# Altium PCB Printing2.PcbDoc (part 2 of 5)
Units mil, origin at the board's own origin, x right, y up, seen from the top; angles counter-clockwise.
Board outline 7550 x 7770 mil, 4 copper layers (Top Layer, 5v/3.3V, 24V, Bottom Layer), stack 23.756 mil thick; 443 components, 337 nets, 1388 pads, 513 vias.
Unrouted connection lines stored in the file: 148.
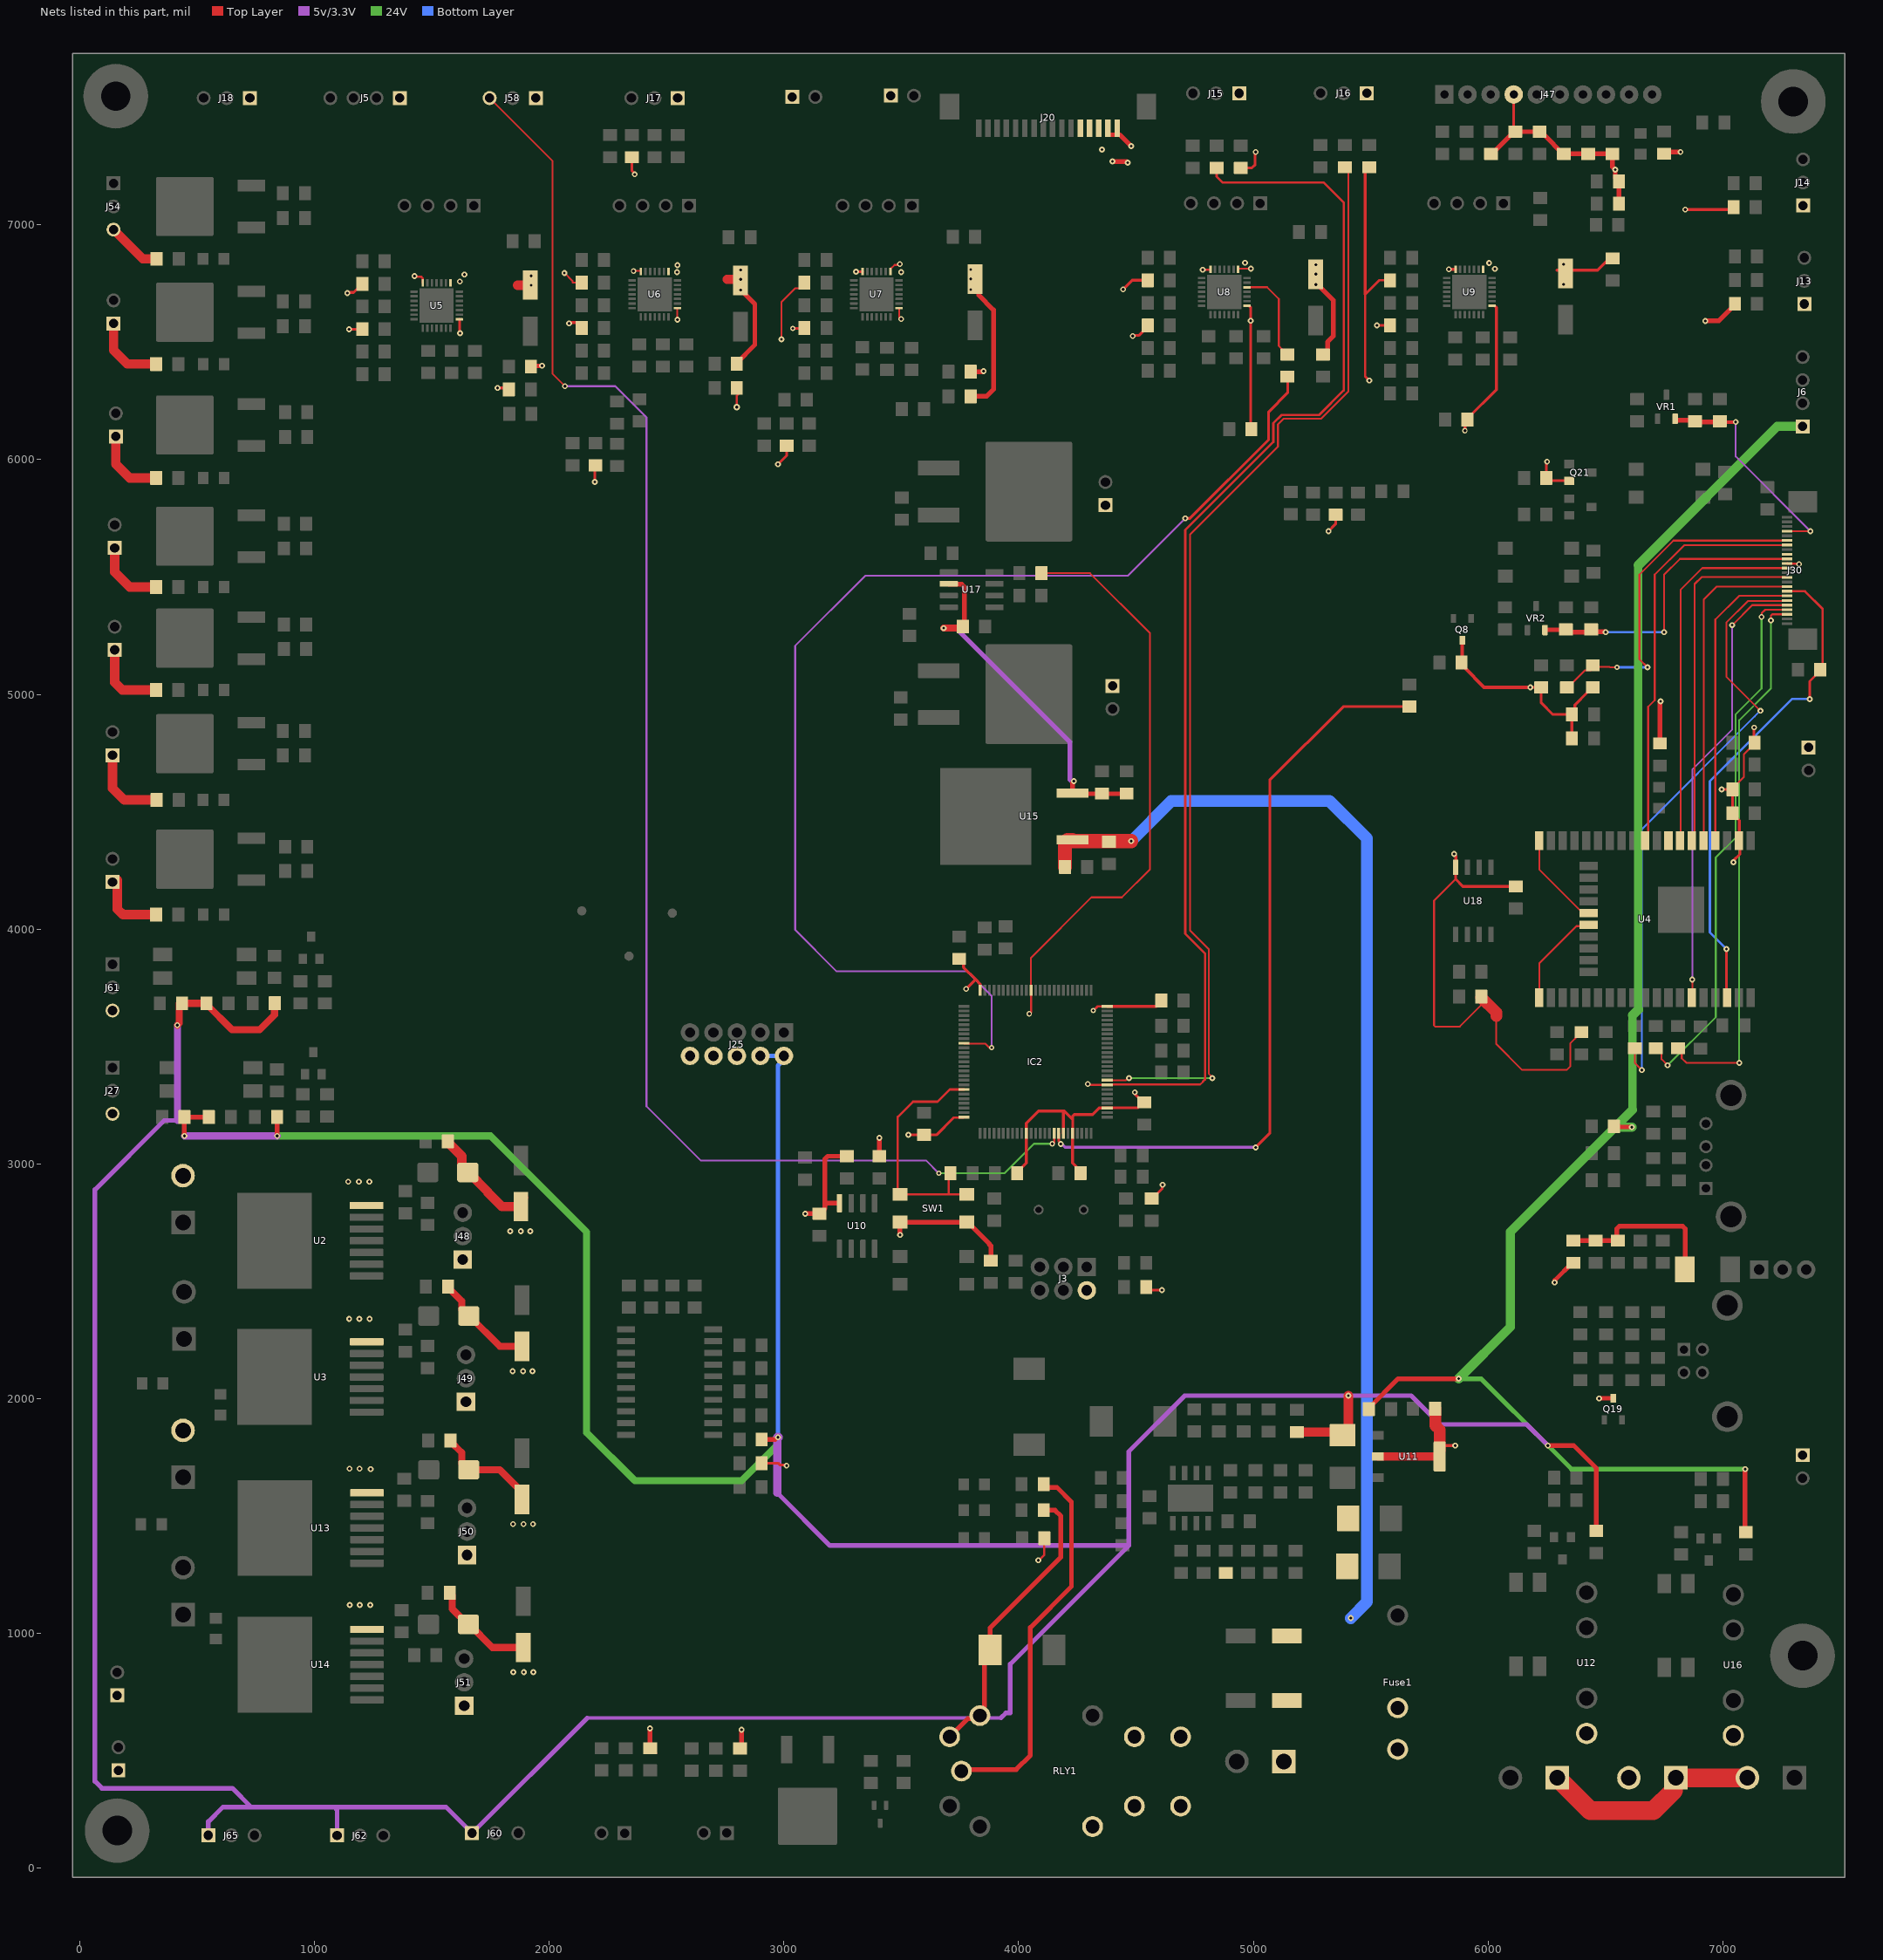
[diagram p4: the nets of this part, all layers, seen from the top]

## Part data
C1 C2 C3 C4 C5 C6 C7 C10 C11 C12 C13 C16 C17 C35 C38 C70 C78 C83 C85 C93: library part CER_100nF_#4, "CAP_CER_100nF_100V_X7R_10%_0805", Current=N/A, Manufacturer#1=Kemet, Manufacturer#1 PN=C0805C104K1RECAUTO, Manufacturer#2=AVX, Manufacturer#2 PN=ESD51C104K4T2A-24, Max Reflow Temp=260, Package=0805, Power Rating=X, Temp# Operating=-55°C/+125°C, Tolerance=10%, Voltage=100V, Added by=İlhanT, Checked by=İlkerU, ComponentLink1Description="Resource Folder", ComponentLink1URL=C:\FireANTs_Repo\HW_Lib\trunk\ComponentLibrary\Resources\Capacitors\C00062, Cost=0.27, Failure in Time=N/A, Features="AEC-Q200; ESD withstanding", FireANTs Code=C00062, Grade Level=Automotive, Height=1.40, Identifier=CER_100nF_#4, Lead Status=Pb-Free, Location=3B16, Max Reflow Duration=30, Mounting Type=SMD, MSL=1, Part Status=Active, Placement Area=10.45, Similar Part="C0805C104J1RECAUTO7210; C0805X104J1RECAUTO", Temp# Storage=N/A, Weight=19mg
C8 C9: library part CER_22pF_#2, "CAP_CER_22pF_50V_X5R_5%_0805", Current=N/A, Manufacturer#1=Kemet, Manufacturer#1 PN=C0805C220J5GAC7800, Max Reflow Temp=260, Package=0805, Power Rating=X, Temp# Operating=-55°C/+125°C, Tolerance=5%, Voltage=50V, Added by=HicabiB, Checked by=???, ComponentLink1Description="Resource Folder", ComponentLink1URL=C:\FireANTs_Repo\HW_Lib\trunk\ComponentLibrary\Resources\Capacitors\C00169, Cost=0.10, Failure in Time=N/A, Features=N/A, FireANTs Code=C00169, Grade Level=Automotive, Height=0.88, Identifier=CER_22pF_#2, Lead Status=Pb-Free, Location=3E18, Manufacturer#2=N/A, Manufacturer#2 PN=N/A, Max Reflow Duration=30, Mounting Type=SMD, MSL=1, Part Status=Active, Placement Area=10.45, Similar Part=N/A, Temp# Storage=N/A, Weight=N/A
C14 C15 C79 C80: library part CER_2.2uF_#9, "CAP_CER_2.2uF_50V_X5R_10%_0805", Current=N/A, Manufacturer#1=Samsung, Manufacturer#1 PN=CL21A225KBFNNNE, Max Reflow Temp=260, Package=0805, Power Rating=X, Temp# Operating=-55°C/+85°C, Tolerance=10%, Voltage=50V, Added by=HicabiB, Checked by=???, ComponentLink1Description="Resource Folder", ComponentLink1URL=C:\FireANTs_Repo\HW_Lib\trunk\ComponentLibrary\Resources\Capacitors\C00170, Cost=0.22, Failure in Time=N/A, Features=N/A, FireANTs Code=C00170, Grade Level=Automotive, Height=1.35, Identifier=CER_2.2uF_#9, Lead Status=Pb-Free, Location=3F18, Manufacturer#2=N/A, Manufacturer#2 PN=N/A, Max Reflow Duration=30, Mounting Type=SMD, MSL=1, Part Status=Active, Placement Area=10.45, Similar Part=N/A, Temp# Storage=N/A, Weight=16.4mg
C18 C22: library part CER_1uF_#1, "CAP_CER_1uF_25V_X7R_10%_0805", Current=N/A, Manufacturer#1=Kemet, Manufacturer#1 PN=C0805C105K3RACAUTO, Manufacturer#2=Murata, Manufacturer#2 PN=GCM21BR71E105KA56L, Max Reflow Temp=260, Package=0805, Power Rating=X, Temp# Operating=-55°C/+125°C, Tolerance=10%, Voltage=25V, Added by=SonerI, Checked by=İlkerU, ComponentLink1Description="Resource Folder", ComponentLink1URL=C:\FireANTs_Repo\HW_Lib\trunk\ComponentLibrary\Resources\Capacitors\C00010, Cost=0.19, Failure in Time=N/A, Features=AEC-Q200, FireANTs Code=C00010, Grade Level=Automotive, Height=1.40, Identifier=CER_1uF_#1, Lead Status=Pb-Free, Location=3B3, Max Reflow Duration=30, Mounting Type=SMD, MSL=1, Part Status=Active, Placement Area=10.45, Similar Part=CGA4J3X7R1E105K125AB, Temp# Storage=N/A, Weight=19mg
C19 C27 C37 C71 C74 C75 C77 C82 C84: library part CER_100nF_#4, "CAP_CER_100nF_100V_X7R_10%_0805", Current=N/A, Manufacturer#1=Kemet, Manufacturer#1 PN=C0805C104K1RECAUTO, Manufacturer#2=AVX, Manufacturer#2 PN=ESD51C104K4T2A-24, Max Reflow Temp=260, Package=0805, Power Rating=X, Temp# Operating=-55°C/+125°C, Tolerance=10%, Voltage=50V, Added by=İlhanT, Checked by=İlkerU, ComponentLink1Description="Resource Folder", ComponentLink1URL=C:\FireANTs_Repo\HW_Lib\trunk\ComponentLibrary\Resources\Capacitors\C00062, Cost=0.27, Failure in Time=N/A, Features="AEC-Q200; ESD withstanding", FireANTs Code=C00062, Grade Level=Automotive, Height=1.40, Identifier=CER_100nF_#4, Lead Status=Pb-Free, Location=3B16, Max Reflow Duration=30, Mounting Type=SMD, MSL=1, Part Status=Active, Placement Area=10.45, Similar Part="C0805C104J1RECAUTO7210; C0805X104J1RECAUTO", Temp# Storage=N/A, Weight=19mg
C20 C21 C86 C87 C89 C90: library part SC1V107M6L07KVR
C23 C24 C25 C26 C28 C29 C30 C31 C32 C33 C34 C41 C42 C43 C44 C47 C48 C53 C54 C55 C56 C59 C60 C65 C66 C68 C81 C96 C97 C99 C100 C101 C103 C104 C105: library part CER_220nF_#9, "CAP_CER_220nF_100V_X7R_10%_0805", Current=N/A, Manufacturer#1=Kemet, Manufacturer#1 PN=C0805C224K1RECAUTO, Manufacturer#2="Taiyo Yuden", Manufacturer#2 PN=HMJ212BB7224KGHT, Max Reflow Temp=260, Package=0805, Power Rating=X, Temp# Operating=-55°C/+125°C, Tolerance=10%, Voltage=100V, Added by=YasinY, Checked by=İlkerU, ComponentLink1Description="Resource Folder", ComponentLink1URL=C:\FireANTs_Repo\HW_Lib\trunk\ComponentLibrary\Resources\Capacitors\C00131, Cost=0.30, Failure in Time=N/A, Features=AEC-Q200, FireANTs Code=C00131, Grade Level=Automotive, Height=1.40, Identifier=CER_220nF_#9, Lead Status=Pb-Free, Location=3G8, Max Reflow Duration=30, Mounting Type=SMD, MSL=1, Part Status=Active, Placement Area=10.45, Similar Part="CC0805KKX7R0BB224; GRM21AR72A224KAC5L", Temp# Storage=N/A, Weight=19mg
C39 C40 C51 C52 C63: library part CER_2.2uF_#1, "CAP_CER_2.2uF_16V_X7R_10%_0805", Current=N/A, Manufacturer#1=Kemet, Manufacturer#1 PN=C0805C225K4RACAUTO, Manufacturer#2=Murata, Manufacturer#2 PN=GCM21BR71C225KA64L, Max Reflow Temp=260, Package=0805, Power Rating=X, Temp# Operating=-55°C/+125°C, Tolerance=10%, Voltage=50V, Added by=SonerI, Checked by=İlkerU, ComponentLink1Description="Resource Folder", ComponentLink1URL=C:\FireANTs_Repo\HW_Lib\trunk\ComponentLibrary\Resources\Capacitors\C00051, Cost=0.41, Failure in Time=N/A, Features=AEC-Q200, FireANTs Code=C00051, Grade Level=Automotive, Height=1.40, Identifier=CER_2.2uF_#1, Lead Status=Pb-Free, Location=3C13, Max Reflow Duration=30, Mounting Type=SMD, MSL=1, Part Status=Active, Placement Area=10.45, Similar Part=CGA4J3X7R1C225K125AB, Temp# Storage=N/A, Weight=19mg
C45 C46 C57 C58 C67: library part CER_10nF_#1, "CAP_CER_10nF_50V_NP0_5%_0805", Current=N/A, Manufacturer#1=Murata, Manufacturer#1 PN=GCM2195C1H103JA16D, Manufacturer#2=Kemet, Manufacturer#2 PN=C0805C103J5GACAUTO, Max Reflow Temp=260, Package=0805, Power Rating=X, Temp# Operating=-55°C/+125°C, Tolerance=5%, Voltage=50V, Added by=SonerI, Checked by=İlkerU, ComponentLink1Description="Resource Folder", ComponentLink1URL=C:\FireANTs_Repo\HW_Lib\trunk\ComponentLibrary\Resources\Capacitors\C00074, Cost=0.47, Failure in Time=N/A, Features=AEC-Q200, FireANTs Code=C00074, Grade Level=Automotive, Height=1.10, Identifier=CER_10nF_#1, Lead Status=Pb-Free, Location=3B19, Max Reflow Duration=30, Mounting Type=SMD, MSL=1, Part Status="Not For New Designs", Placement Area=10.45, Similar Part=CGA4C2C0G1H103J060AA, Temp# Storage=N/A, Weight=17mg
C64 C72 C73: library part CER_47uF_#2, "CAP_CER_47uF_6.3V_X5R_20%_0805", Current=N/A, Manufacturer#1=Murata, Manufacturer#1 PN=GRM21BR60J476ME15L, Manufacturer#2=Kemet, Manufacturer#2 PN=C0805C476M9PACTU, Max Reflow Temp=260, Package=0805, Power Rating=X, Temp# Operating=-55°C/+85°C, Tolerance=20%, Voltage=6.3V, Added by=HasanA, Checked by=İlkerU, ComponentLink1Description="Resource Folder", ComponentLink1URL=C:\FireANTs_Repo\HW_Lib\trunk\ComponentLibrary\Resources\Capacitors\C00140, Cost=0.48, Failure in Time=N/A, Features=N/A, FireANTs Code=C00140, Grade Level=Industrial, Height=1.40, Identifier=CER_47uF_#2, Lead Status=Pb-Free, Location=3H10, Max Reflow Duration=30, Mounting Type=SMD, MSL=1, Part Status="Not For New Designs", Placement Area=10.45, Similar Part=JMK212BBJ476MG-T, Temp# Storage=N/A, Weight=19mg
C76 C88 C91 C92: library part CER_470nF_#2, "CAP_CER_470nF_50V_X7R_10%_0805", Current=N/A, Manufacturer#1=Kemet, Manufacturer#1 PN=C0805C474K5RACAUTO, Manufacturer#2=Murata, Manufacturer#2 PN=GCM21BR71H474KA55, Max Reflow Temp=260, Package=0805, Power Rating=X, Temp# Operating=-55°C/+125°C, Tolerance=10%, Voltage=50V, Added by=SonerI, Checked by=İlkerU, ComponentLink1Description="Resource Folder", ComponentLink1URL=C:\FireANTs_Repo\HW_Lib\trunk\ComponentLibrary\Resources\Capacitors\C00122, Cost=0.32, Failure in Time=N/A, Features=AEC-Q200, FireANTs Code=C00122, Grade Level=Automotive, Height=1.10, Identifier=CER_470nF_#2, Lead Status=Pb-Free, Location=3F6, Max Reflow Duration=30, Mounting Type=SMD, MSL=1, Part Status=Active, Placement Area=10.45, Similar Part=CL21B474KBFVPNE, Temp# Storage=N/A, Weight=17mg
C94: library part CER_1nF_#8, "CAP_CER_1nF_50V_NP0_1%_0805", Current=N/A, Manufacturer#1=Yageo, Manufacturer#1 PN=CC0805FRNPO9BN102, Manufacturer#2=Vishay, Manufacturer#2 PN=VJ0805A102FXACW1BC, Max Reflow Temp=260, Package=0805, Power Rating=X, Temp# Operating=-55°C/+125°C, Tolerance=1%, Voltage=50V, Added by=İlhanT, Checked by=İlkerU, ComponentLink1Description="Resource Folder", ComponentLink1URL=C:\FireANTs_Repo\HW_Lib\trunk\ComponentLibrary\Resources\Capacitors\C00021, Cost=0.27, Failure in Time=N/A, Features=N/A, FireANTs Code=C00021, Grade Level=Industrial, Height=0.70, Identifier=CER_1nF_#8, Lead Status=Pb-Free, Location=3A6, Max Reflow Duration=30, Mounting Type=SMD, MSL=1, Part Status=Active, Placement Area=10.45, Similar Part=08055A102FAT2A, Temp# Storage=N/A, Weight=9.6mg
C95: library part CER_22uF_#6, "CAP_CER_22uF_25V_X5R_20%_0805", Current=N/A, Manufacturer#1=Murata, Manufacturer#1 PN=GRM21BR61E226ME44L, Manufacturer#2=Yageo, Manufacturer#2 PN=CC0805MKX5R8BB226, Max Reflow Temp=260, Package=0805, Power Rating=X, Temp# Operating=-55°C/+85°C, Tolerance=20%, Voltage=25V, Added by=HasanA, Checked by=İlkerU, ComponentLink1Description="Resource Folder", ComponentLink1URL=C:\FireANTs_Repo\HW_Lib\trunk\ComponentLibrary\Resources\Capacitors\C00159, Cost=0.54, Failure in Time=N/A, Features=N/A, FireANTs Code=C00159, Grade Level=Industrial, Height=1.40, Identifier=CER_22uF_#6, Lead Status=Pb-Free, Location=3G15, Max Reflow Duration=30, Mounting Type=SMD, MSL=1, Part Status=Active, Placement Area=10.45, Similar Part="GRT21BR61E226ME13L; C2012X5R1V226M125AC", Temp# Storage=N/A, Weight=19mg
C98 C102: library part CER_10uF_#13, "CAP_CER_10uF_10V_X7S_10%_0805", Current=N/A, Manufacturer#1=TDK, Manufacturer#1 PN=CGA4J3X7S1A106K125AE, Manufacturer#2=Murata, Manufacturer#2 PN=GCM21BR71A106KE22K, Max Reflow Temp=260, Package=0805, Power Rating=X, Temp# Operating=-55°C/+125°C, Tolerance=10%, Voltage=10V, Added by=HasanA, Checked by=İlkerU, ComponentLink1Description="Resource Folder", ComponentLink1URL=C:\FireANTs_Repo\HW_Lib\trunk\ComponentLibrary\Resources\Capacitors\C00165, Cost=0.54, Failure in Time=N/A, Features=AEC-Q200, FireANTs Code=C00165, Grade Level=Automotive, Height=1.40, Identifier=CER_10uF_#13, Lead Status=Pb-Free, Location=3E17, Max Reflow Duration=10, Mounting Type=SMD, MSL=1, Part Status=Active, Placement Area=10.45, Similar Part=C0805C106K8RACAUTO, Temp# Storage=N/A, Weight=19mg
D1 D8 D17: library part SCHO_60V_3A_#1, "DIO_SCHO_SING_60V_3A_SMB", Current=5A, Manufacturer#1=Onsemi, Manufacturer#1 PN=NRVBS360BT3G, Manufacturer#2 PN=MBRS360BT3G, Max Reflow Temp=260, Package=SMB, Power Rating=N/A, Temp# Operating=-65°C/+175°C, Tolerance=X, Voltage=40V, Added by=SonerI, Checked by=ErayC, ComponentLink1Description="Resource Folder", ComponentLink1URL=C:\FireANTs_Repo\HW_Lib\trunk\ComponentLibrary\Resources\Diodes\D00042, Cost=0.84, Failure in Time="0.16@[60%CL; 55°C; 0.7eV]", Features="AEC-Q101; Fast recovery; Schottky Power Rectifier", FireANTs Code=D00042, Grade Level=Automotive, Height=2.47, Identifier=SCHO_60V_3A_#1, Lead Status=Pb-Free, Location=4F11, Manufacturer#2=Onsemi, Max Reflow Duration=10, Mounting Type=SMD, MSL=1, Part Status=Active, Placement Area=36.00, Similar Part=STPS3H100UFY, Temp# Storage=-65°C/+175°C, Weight=101.45mg
D2: "VR=60V IF=5A 300pF", Average Rectified Current=5A, Capacitance=300pF, Case/Package=SMC, Forward Voltage=700mV, Manufacturer=Diodes, Max Forward Surge Current (Ifsm)=100A, Max Operating Temperature=125°C, Max Repetitive Reverse Voltage (Vrrm)=60V, Max Reverse Current=500uA, Min Operating Temperature=-55°C, Package Quantity=3000, Supplier Part Number 1=1858602, Category="Rectifier Diodes", ComponentLink1Description=https://datasheet.ciiva.com/27052/1538961-27052355.pdf?src-supplier=Jameco, ComponentLink1URL=https://datasheet.ciiva.com/27052/1538961-27052355.pdf?src-supplier=Jameco, ComponentLink2Description=https://datasheet.ciiva.com/1177/ds13012-1177532.pdf?src-supplier=Element14, ComponentLink2URL=https://datasheet.ciiva.com/1177/ds13012-1177532.pdf?src-supplier=Element14, ComponentLink3Description=https://datasheet.ciiva.com/16389/ds13012-16389735.pdf?src-supplier=Future+Electronics, ComponentLink3URL=https://datasheet.ciiva.com/16389/ds13012-16389735.pdf?src-supplier=Future+Electronics, ComponentLink4Description=https://datasheet.ciiva.com/15144/getdatasheetpartid-89786-15144652.pdf?src-supplier=Verical, ComponentLink4URL=https://datasheet.ciiva.com/15144/getdatasheetpartid-89786-15144652.pdf?src-supplier=Verical, ComponentLink5Description=https://datasheet.ciiva.com/914/ds13012-914986.pdf?src-supplier=Digi-Key, ComponentLink5URL=https://datasheet.ciiva.com/914/ds13012-914986.pdf?src-supplier=Digi-Key, ComponentLink6Description=https://datasheet.ciiva.com/914/ds13012-914987.pdf?src-supplier=Digi-Key, ComponentLink6URL=https://datasheet.ciiva.com/914/ds13012-914987.pdf?src-supplier=Digi-Key, ComponentLink7Description=https://datasheet.ciiva.com/914/ds13012-914985.pdf?src-supplier=Digi-Key, ComponentLink7URL=https://datasheet.ciiva.com/914/ds13012-914985.pdf?src-supplier=Digi-Key, Contact Plating=Tin,Matte, Current Rating=5A, Element Configuration=Single, Forward Current=5A, Height=2.5mm, Lead Free="Lead Free", Length=7.11mm, Manufacturer Part Number=B560C-13-F, Max Reverse Voltage (DC)=60V, Mount="Surface Mount", Number of Pins=2, Output Current=5A, Packaging="Tape and Reel", Peak Non-Repetitive Surge Current=100A, Polarity=Standard, Pricing 1="5=0,58300, 10=0,49900, 100=0,37300, 500=0,29400 (EUR)", Radiation Hardening=No, Reach SVHC Compliant=Yes, RoHS=Yes, RoHS Compliant=Yes, Series=-, Stock 1=3160, Supplier 1=Farnell, Termination=SMD/SMT, Voltage Rating (DC)=60V, Weight=0.007408oz, Width=6.22mm
D6 D9 D14 D15 D16 D18 D19 D20 D21 D22 D23 D24: "KP-2012SRC-PRV Red LED, 640 nm 2012 (0805), Rectangle Lens SMD package", Case/Package=2012, Color=Red, Forward Current=20mA, Forward Voltage=1.85V, Lens Color=Clear, Manufacturer=Kingbright, Max Operating Temperature=85°C, Min Operating Temperature=-40°C, Supplier Part Number 1=1318244, Category=LEDs, ComponentLink1Description=https://datasheet.ciiva.com/14176/kp2012src-prv-eng-tds-14176962.pdf?src-supplier=Distrelec, ComponentLink1URL=https://datasheet.ciiva.com/14176/kp2012src-prv-eng-tds-14176962.pdf?src-supplier=Distrelec, ComponentLink2Description=https://datasheet.ciiva.com/11773/0900766b8032fa8d-11773524.pdf?src-supplier=RSComponents, ComponentLink2URL=https://datasheet.ciiva.com/11773/0900766b8032fa8d-11773524.pdf?src-supplier=RSComponents, ComponentLink3Description=https://datasheet.ciiva.com/14634/0900766b8032fa8d-14634746.pdf?src-supplier=Allied+Electronics, ComponentLink3URL=https://datasheet.ciiva.com/14634/0900766b8032fa8d-14634746.pdf?src-supplier=Allied+Electronics, ComponentLink4Description=https://datasheet.ciiva.com/29281/180105-da-01-en-led-0805-typ-kp-2012src-prv-29281248.pdf?src-supplier=Conrad, ComponentLink4URL=https://datasheet.ciiva.com/29281/180105-da-01-en-led-0805-typ-kp-2012src-prv-29281248.pdf?src-supplier=Conrad, Dominant Wavelength=640nm, Lens Style=Rectangular,Diffused,Colorless, Luminous Intensity=100mcd, Manufacturer Part Number=KP-2012SRC-PRV, Mount="Surface Mount", Number of LEDs=1, Number of Pins=2, Packaging="Cut Tape", Pricing 1="5=0,12900, 50=0,10200, 100=0,09830, 500=0,08370, 1000=0,07290 (EUR)", Radiation Hardening=No, Reach SVHC Compliant=Yes, RoHS=Yes, RoHS Compliant=Yes, Supplier 1=Farnell, Viewing Angle=120°, Wavelength=640nm
D7: "STANDARD DIODE, 5A, 1KV, DO-214AB, FULL REEL; Diode Configuration:Single; Repetitive Reverse Voltage Vrrm Max:1kV; Forward Current If(AV):5A; Forward Voltage VF Max:1.15V; Forward Surge Current Ifsm Max:100A; No. of Pins:2 Pin ;RoHS Compliant: Yes", Average Rectified Current=5A, Capacitance=40pF, Case/Package=SMC, Forward Voltage=1.15V, Manufacturer="Vishay Semiconductors", Max Forward Surge Current (Ifsm)=100A, Max Operating Temperature=150°C, Max Repetitive Reverse Voltage (Vrrm)=1kV, Max Reverse Current=10uA, Min Operating Temperature=-55°C, Package Quantity=850, Supplier Part Number 1=2395851, Category="Rectifier Diodes", ComponentLink1Description=https://datasheet.ciiva.com/26295/1912895-26295382.pdf?src-supplier=Element14, ComponentLink1URL=https://datasheet.ciiva.com/26295/1912895-26295382.pdf?src-supplier=Element14, ComponentLink2Description=https://datasheet.ciiva.com/46435/1794161-46435942.pdf?src-supplier=Element14, ComponentLink2URL=https://datasheet.ciiva.com/46435/1794161-46435942.pdf?src-supplier=Element14, ComponentLink3Description=https://datasheet.ciiva.com/8287/s5a-8287111.pdf?src-supplier=Avnet, ComponentLink3URL=https://datasheet.ciiva.com/8287/s5a-8287111.pdf?src-supplier=Avnet, Contact Plating=Tin,Matte, Current=5A, Current Rating=5A, Element Configuration=Single, Forward Current=5A, Height=2.42mm, Lead Free="Lead Free", Length=7.11mm, Manufacturer Part Number=S5M-E3/57T, Max Reverse Voltage (DC)=1kV, Max Surge Current=100A, Mount="Surface Mount", Number of Pins=2, Output Current=5A, Packaging="Tape and Reel", Peak Non-Repetitive Surge Current=100A, Polarity=Standard, Pricing 1="5=0,46000, 10=0,38000, 100=0,29400, 500=0,17900, 1000=0,15400, 5000=0,14900 (EUR)", Radiation Hardening=No, Recovery Time=2500ns, Reverse Recovery Time=2.5us, Reverse Voltage=1kV, RoHS=Yes, RoHS Compliant=Yes, Series=-, Stock 1=21261, Supplier 1=Farnell, Voltage=1kV, Voltage Rating (DC)=1kV, Width=6.22mm
D10 D11 D12 D13: "TVS DIODE 30VWM 48.4VC SMB", Breakdown Voltage=36.8V, Case/Package=DO-214AA, Clamping Voltage=48.4V, Leakage Current=1uA, Manufacturer="Vishay Semiconductors", Max Operating Temperature=150°C, Max Power Dissipation=600W, Max Surge Current=12.4A, Min Breakdown Voltage=33.3V, Min Operating Temperature=-55°C, Operating Supply Voltage=30V, Package Quantity=750, Power Line Protection=No, Resistor Type=Zener, Supplier Part Number 1=0229762P, Test Current=1mA, Category="TVS Diodes", Clamping Voltage-Max=48.4V, ComponentLink1Description=https://datasheet.ciiva.com/28654/1691222-28654369.pdf?src-supplier=Element14, ComponentLink1URL=https://datasheet.ciiva.com/28654/1691222-28654369.pdf?src-supplier=Element14, ComponentLink2Description=https://datasheet.ciiva.com/26322/139043-26322383.pdf?src-supplier=Element14, ComponentLink2URL=https://datasheet.ciiva.com/26322/139043-26322383.pdf?src-supplier=Element14, ComponentLink3Description=https://datasheet.ciiva.com/26322/139043-26322382.pdf?src-supplier=Element14, ComponentLink3URL=https://datasheet.ciiva.com/26322/139043-26322382.pdf?src-supplier=Element14, ComponentLink4Description=https://datasheet.ciiva.com/330/smbj50a-330951.pdf?src-supplier=Digi-Key, ComponentLink4URL=https://datasheet.ciiva.com/330/smbj50a-330951.pdf?src-supplier=Digi-Key, ComponentLink5Description=https://datasheet.ciiva.com/330/smbj50a-330952.pdf?src-supplier=Digi-Key, ComponentLink5URL=https://datasheet.ciiva.com/330/smbj50a-330952.pdf?src-supplier=Digi-Key, ComponentLink6Description=https://datasheet.ciiva.com/330/smbj50a-330950.pdf?src-supplier=Digi-Key, ComponentLink6URL=https://datasheet.ciiva.com/330/smbj50a-330950.pdf?src-supplier=Digi-Key, Diode Type=ZENER, Direction=Unidirectional, Element Configuration=Single, Height=2.24mm, Lead Free="Lead Free", Length=4.57mm, Manufacturer Part Number=SMBJ30A-E3/52, Max Breakdown Voltage=36.8V, Max Reverse Leakage Current=1uA, Mount="Surface Mount", Number of Channels=1, Number of Elements=1, Number of Pins=2, Number of Unidirectional Channels=1, Packaging="Tape and Reel", Peak Pulse Current=12.4A, Peak Pulse Power=600W, Polarity=Unidirectional, Power Dissipation=600W, Radiation Hardening=No, Reverse Breakdown Voltage=33.3V, Reverse Standoff Voltage=30V, RoHS=Yes, RoHS Compliant=Yes, Series=TransZorb®, Stock 1=1, Supplier 1=Rs, Termination=SMD/SMT, Width=3.94mm
FID1 FID2 FID3: library part FID_1.00X3.00, "SUP_FID_1.00x3.00_SMD", Current=X, Added by=İlhanT, Checked by=HasanA, ComponentLink1Description=X, ComponentLink1URL=X, Cost=X, Failure in Time=X, Features=X, FireANTs Code=X, Grade Level=X, Height=0, Identifier=FID_1.00X3.00, Lead Status=X, Location=X, Manufacturer#1=X, Manufacturer#1 PN=X, Manufacturer#2=X, Manufacturer#2 PN=X, Max Reflow Duration=X, Max Reflow Temp=X, Mounting Type=X, MSL=X, Package=X, Part Status=X, Placement Area=12.56, Power Rating=X, Similar Part=X, Temp# Operating=X, Temp# Storage=X, Tolerance=X, Voltage=X, Weight=X